# KiCad board Decent1200-Modern.kicad_pcb
title: Decent1200 modern keyboard; date: 2024-10-07; rev: 5m; company: Decent Consulting
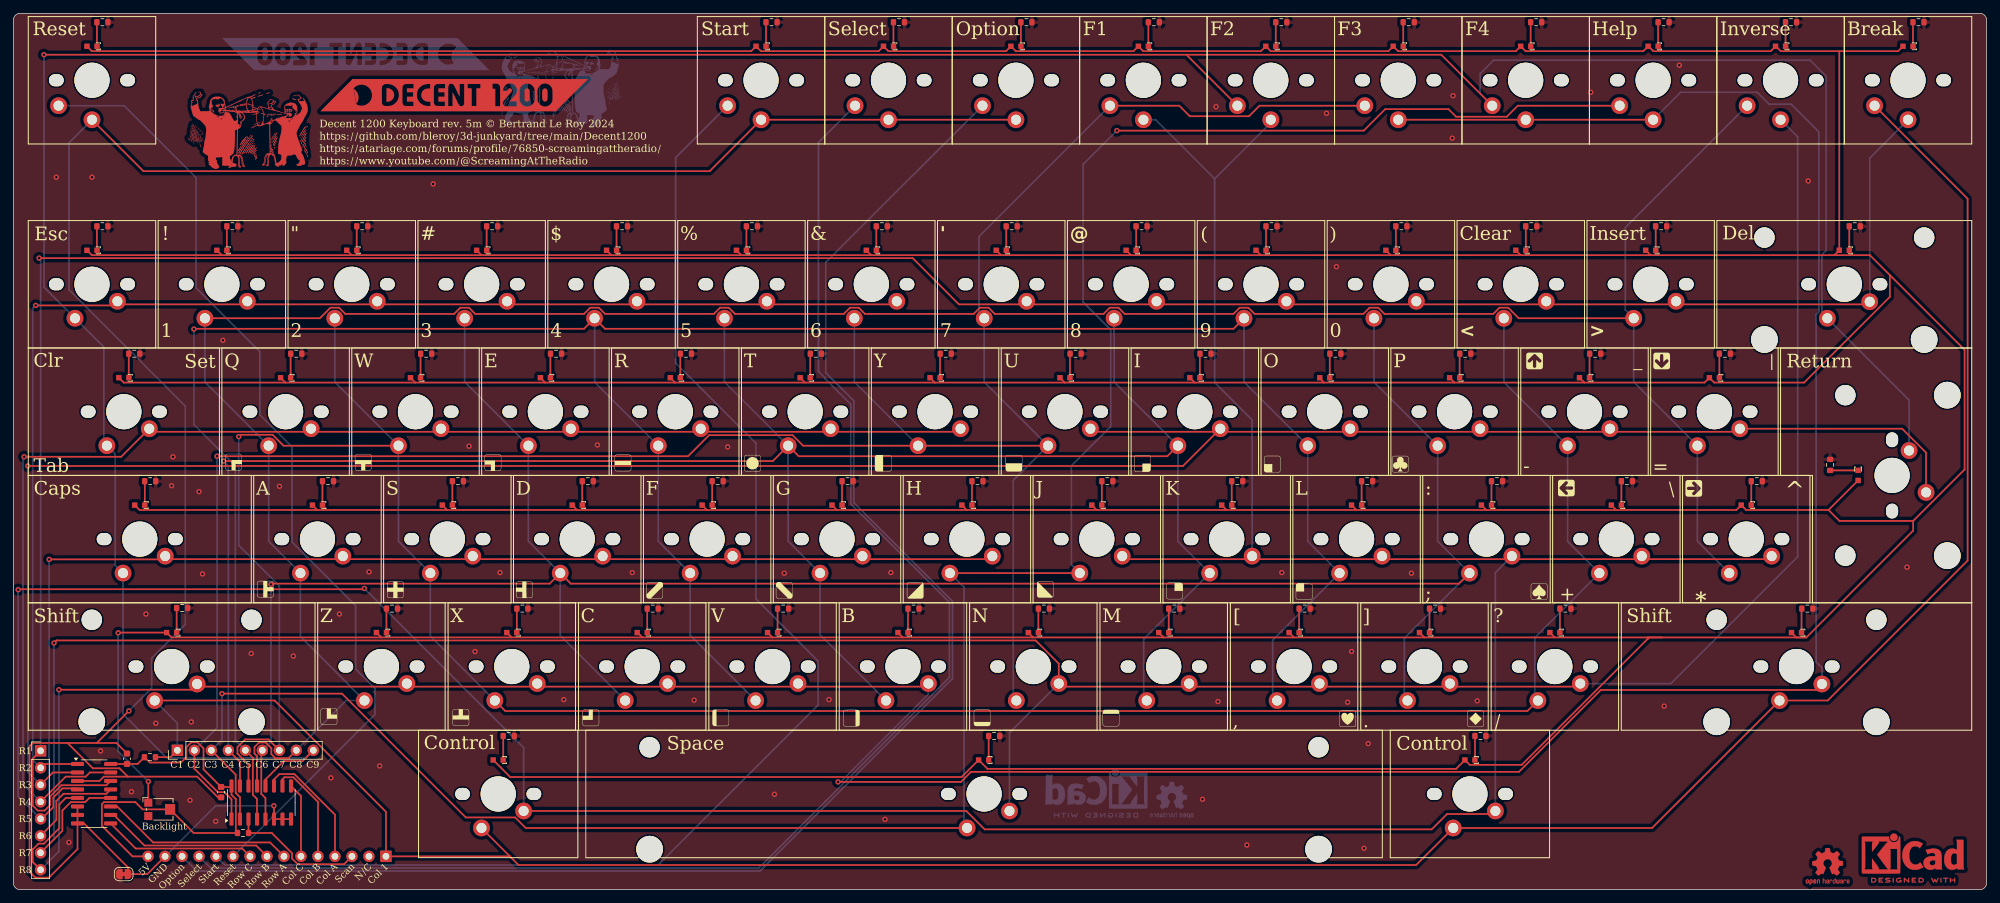
[diagram p0: board, top side]
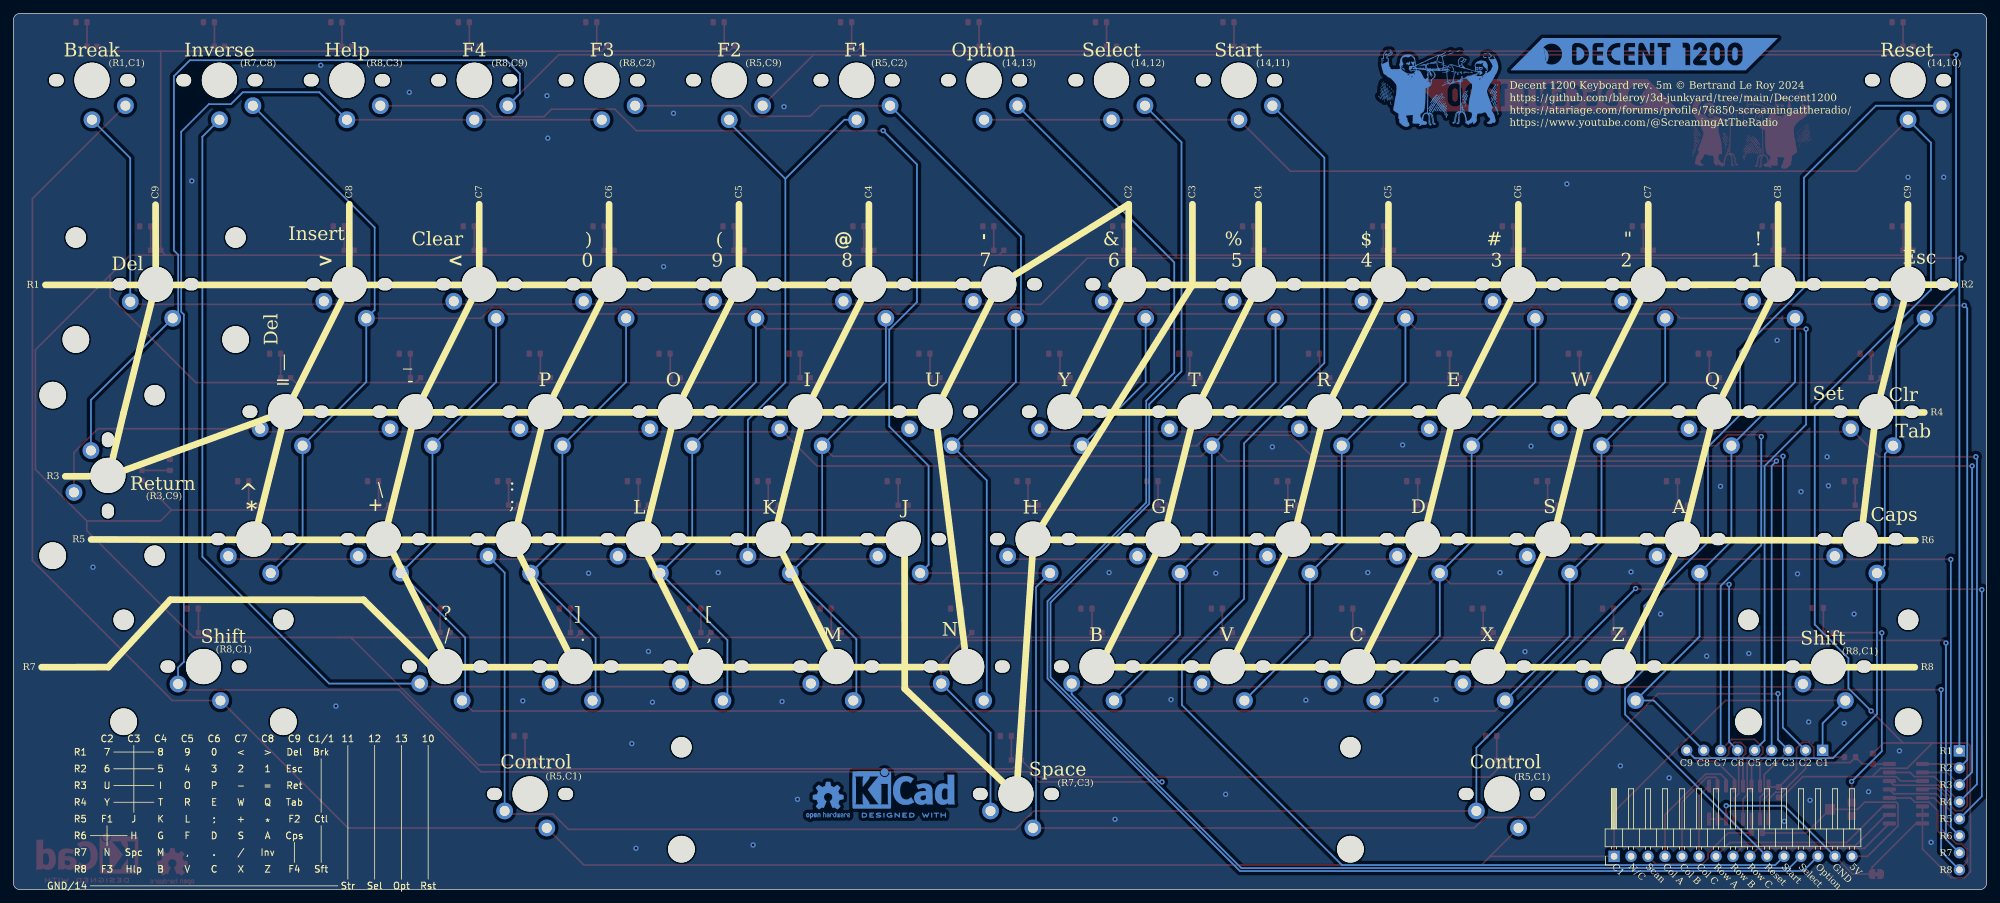
[diagram p1: board, bottom side, seen from below]

Outline 294.96 x 131 mm; copper layers: Top, Bottom. Coordinates in mm from the lower left corner of the outline.
Outline path: 0,130 arc(0.29,130.71) 1,131 293.96,131 arc(294.67,130.71) 294.96,130 294.96,1 arc(294.67,0.29) 293.96,0 1,0 arc(0.29,0.29) 0,1 0,130

## Placement (name value [footprint] x y rotation side)
C1  100nF  [C_0603_1608Metric]  16.99 19.57 270 top
C2  100nF  [C_0603_1608Metric]  31.05 14.57 90 top
G***  -  [LOGO]  115.23 44.74 0 top
G***#2  -  [LOGO]  134.81 44.74 0 top
G***#3  -  [LOGO]  76.38 44.84 0 top
G***#4  -  [LOGO]  105.73 25.69 0 top
G***#5  -  [LOGO]  199.44 25.56 0 top
G***#6  DECENT 1200  [LOGO]  65.89 118.78 0 top
G***#7  -  [LOGO]  71.68 63.84 0 top
G***#8  -  [LOGO]  227.39 79.04 180 top
G***#9  -  [LOGO]  173.57 44.65 0 top
G***#10  -  [LOGO]  188.19 63.61 0 top
G***#11  -  [LOGO]  168.77 63.7 0 top
G***#12  -  [LOGO]  95.86 44.74 0 top
G***#13  -  [LOGO]  192.94 44.56 0 top
G***#14  -  [LOGO]  57.1 44.84 0 top
G***#15  -  [LOGO]  125.26 25.64 0 top
G***#16  -  [LOGO]  251.19 59.99 90 top
G***#17  -  [LOGO]  37.66 44.91 0 top
G***#18  -  [LOGO]  52.3 63.89 0 top
G***#19  -  [LOGO]  154.25 44.89 0 top
G***#20  -  [LOGO]  86.31 25.69 0 top
G***#21  -  [LOGO]  47.16 25.86 0 top
G***#22  -  [LOGO]  218.57 25.55 0 top
G***#23  -  [LOGO]  232.14 60.04 270 top
G***#24  -  [LOGO]  228.07 44.55 0 top
G***#25  -  [LOGO]  32.91 63.91 0 top
G***#26  -  [LOGO]  66.88 25.74 0 top
G***#27  -  [LOGO]  144.81 25.69 0 top
G***#28  -  [LOGO]  246.39 79.04 0 top
G***#29  -  [LOGO]  91.11 63.79 0 top
G***#30  LOGO  [ScreamingAtTheRadio]  35.17 114.6 0 top
G***#31  -  [LOGO]  149.56 63.74 0 top
G***#32  -  [LOGO]  130.01 63.74 0 top
G***#33  -  [LOGO]  207.32 63.6 0 top
G***#34  -  [LOGO]  110.48 63.74 0 top
G***#35  -  [LOGO]  164.07 25.65 0 top
G***#36  -  [ScreamingAtTheRadio]  81.84 120.89 180 bottom
G***#37  DECENT 1200  [LOGO]  51.18 124.92 180 bottom
J1  Conn_01x15  [PinHeader_1x15_P2.54mm_Horizontal]  55.69 4.97 90 bottom
J2  Conn_01x09_Pin  [PinHeader_1x09_P2.54mm_Vertical]  24.52 20.82 90 top
J3  Conn_01x08_Pin  [PinHeader_1x08_P2.54mm_Vertical]  4.07 20.75 0 top
JP4  SolderJumper_2_Bridged  [SolderJumper-2_P1.3mm_Bridged_RoundedPad1.0x1.5mm]  16.49 2.32 180 top
R1  R  [R_0603_1608Metric]  113.33 129.68 0 top
R2  R  [R_0603_1608Metric]  219.3 22.97 0 top
R3  R  [R_0603_1608Metric]  284.78 129.68 0 top
R4  R  [R_0603_1608Metric]  74.04 22.97 0 top
R5  R  [R_0603_1608Metric]  25.23 42.1 0 top
R6  R  [R_0603_1608Metric]  268.16 42.01 0 top
R7  R  [R_0603_1608Metric]  132.38 129.68 0 top
R8  R  [R_0603_1608Metric]  149.23 99.17 0 top
R9  R  [R_0603_1608Metric]  129.82 99.17 0 top
R10  R  [R_0603_1608Metric]  158.78 80.12 0 top
R11  R  [R_0603_1608Metric]  139.37 80.12 0 top
R12  R  [R_0603_1608Metric]  170.48 129.68 0 top
R13  R  [R_0603_1608Metric]  154.04 42.01 0 top
R14  R  [R_0603_1608Metric]  208.58 129.68 0 top
R15  R  [R_0603_1608Metric]  151.43 129.68 0 top
R16  R  [R_0603_1608Metric]  163.53 61.06 0 top
R17  R  [R_0603_1608Metric]  144.11 61.06 0 top
R18  R  [R_0603_1608Metric]  146.61 22.97 0 top
R19  R  [R_0603_1608Metric]  246.68 129.68 0 top
R20  R  [R_0603_1608Metric]  13.31 129.68 0 top
R21  R  [R_0603_1608Metric]  168.65 99.17 0 top
R22  R  [R_0603_1608Metric]  110.4 99.17 0 top
R23  R  [R_0603_1608Metric]  178.2 80.12 0 top
R24  R  [R_0603_1608Metric]  119.95 80.12 0 top
R25  R  [R_0603_1608Metric]  182.94 61.06 0 top
R26  R  [R_0603_1608Metric]  124.7 61.06 0 top
R27  R  [R_0603_1608Metric]  173.53 42.01 0 top
R28  R  [R_0603_1608Metric]  134.55 42.01 0 top
R29  R  [R_0603_1608Metric]  188.06 99.17 0 top
R30  R  [R_0603_1608Metric]  90.98 99.17 0 top
R31  R  [R_0603_1608Metric]  197.62 80.12 0 top
R32  R  [R_0603_1608Metric]  100.54 80.12 0 top
R33  R  [R_0603_1608Metric]  202.36 61.06 0 top
R34  R  [R_0603_1608Metric]  105.28 61.06 0 top
R35  R  [R_0603_1608Metric]  193.02 42.01 0 top
R36  R  [R_0603_1608Metric]  115.06 42.01 0 top
R38  R  [R_0603_1608Metric]  207.48 99.17 0 top
R39  R  [R_0603_1608Metric]  71.57 99.17 0 top
R40  R  [R_0603_1608Metric]  217.03 80.12 0 top
R41  R  [R_0603_1608Metric]  81.12 80.12 0 top
R42  R  [R_0603_1608Metric]  221.78 61.06 0 top
R43  R  [R_0603_1608Metric]  85.86 61.06 0 top
R44  R  [R_0603_1608Metric]  212.51 42.01 0 top
R45  R  [R_0603_1608Metric]  95.57 42.01 0 top
R46  R  [R_0603_1608Metric]  226.9 99.17 0 top
R47  R  [R_0603_1608Metric]  52.15 99.17 0 top
R48  R  [R_0603_1608Metric]  236.45 80.12 0 top
R49  R  [R_0603_1608Metric]  61.7 80.12 0 top
R50  R  [R_0603_1608Metric]  241.19 61.06 0 top
R51  R  [R_0603_1608Metric]  66.45 61.06 0 top
R52  R  [R_0603_1608Metric]  232 42.01 0 top
R53  R  [R_0603_1608Metric]  76.08 42.01 0 top
R54  R  [R_0603_1608Metric]  246.31 99.17 0 top
R55  R  [R_0603_1608Metric]  32.73 99.17 0 top
R56  R  [R_0603_1608Metric]  255.84 80.12 0 top
R57  R  [R_0603_1608Metric]  42.29 80.12 0 top
R58  R  [R_0603_1608Metric]  260.61 61.06 0 top
R59  R  [R_0603_1608Metric]  47.03 61.06 0 top
R60  R  [R_0603_1608Metric]  265.73 129.68 0 top
R61  R  [R_0603_1608Metric]  56.6 42.01 0 top
R62  R  [R_0603_1608Metric]  275.25 99.17 0 top
R63  R  [R_0603_1608Metric]  13.31 99.17 0 top
R64  R  [R_0603_1608Metric]  271.57 63.5 90 top
R65  R  [R_0603_1608Metric]  18.07 80.12 0 top
R66  R  [R_0603_1608Metric]  189.53 129.68 0 top
R67  R  [R_0603_1608Metric]  20.45 61.06 0 top
R68  R  [R_0603_1608Metric]  227.63 129.68 0 top
R69  4k7  [R_0603_1608Metric]  34.33 8.47 0 top
R70  4k7  [R_0603_1608Metric]  20.42 19.8 0 top
REF**  -  [OSHW-Logo2_7.3x6mm_Copper]  271.2 3.46 0 top
REF**#2  -  [KiCad-Logo2_6mm_Copper]  283.96 5.42 0 top
REF**#3  -  [KiCad-Logo2_6mm_Copper]  161.87 15.14 180 bottom
REF**#4  -  [Atari1200XL_Matrix]  254.96 12.06 180 bottom
REF**#5  -  [OSHW-Logo2_7.3x6mm_Copper]  173.17 13.36 180 bottom
RV1  R_Potentiometer  [Potentiometer_Bourns_TC33X_Vertical]  21.97 12 0 top
SW0  LED  [MX-1-00U-LED]  205.91 95.58 0 top
SW1  LED  [MX-1-00U-LED]  31.17 95.58 0 top
SW2  LED  [MX-1-00U-LED]  50.58 95.58 0 top
SW3  LED  [MX-1-00U-LED]  70 95.58 0 top
SW4  LED  [MX-1-00U-LED]  89.42 95.58 0 top
SW5  LED  [MX-1-00U-LED]  108.83 95.58 0 top
SW6  LED  [MX-1-00U-LED]  128.25 95.58 0 top
SW7  LED  [MX-1-00U-LED]  147.66 95.58 0 top
SW8  LED  [MX-1-00U-LED]  167.08 95.58 0 top
SW9  LED  [MX-1-00U-LED]  186.5 95.58 0 top
SWA1  LED  [MX-1-00U-LED]  45.45 57.48 0 top
SWB1  LED  [MX-1-00U-LED]  132.97 38.43 0 top
SWBrk1  LED  [Choc-1-00U-LED]  283.21 126.08 0 top
SWC1  LED  [MX-1-00U-LED]  93.99 38.43 0 top
SWComma1  LED  [MX-1-00U-LED]  191.44 38.43 0 top
SWCps1  LED  [MX-1-75U-LED]  18.89 57.48 0 top
SWCtl1  LED  [MX-1-25U-LED]  72.47 19.38 0 top
SWCtl2  LED  [MX-1-25U-LED]  217.73 19.38 0 top
SWD1  LED  [MX-1-00U-LED]  84.29 57.48 0 top
SWDash1  LED  [MX-1-00U-LED]  234.85 76.53 0 top
SWDel2  LED  [MX-2-00U-LED]  273.69 95.58 0 top
SWE1  LED  [MX-1-00U-LED]  79.52 76.53 0 top
SWEqual1  LED  [MX-1-00U-LED]  254.27 76.53 0 top
SWEsc1  LED  [MX-1-00U-LED]  11.75 95.58 0 top
SWF1  LED  [MX-1-00U-LED]  103.7 57.48 0 top
SWFn1  LED  [Choc-1-00U-LED]  168.91 126.08 0 top
SWFn2  LED  [Choc-1-00U-LED]  187.96 126.08 0 top
SWFn3  LED  [Choc-1-00U-LED]  207.01 126.08 0 top
SWFn4  LED  [Choc-1-00U-LED]  226.06 126.08 0 top
SWG1  LED  [MX-1-00U-LED]  123.12 57.48 0 top
SWGT1  LED  [MX-1-00U-LED]  244.75 95.58 0 top
SWH1  LED  [MX-1-00U-LED]  142.54 57.48 0 top
SWHlp1  LED  [Choc-1-00U-LED]  245.11 126.08 0 top
SWI1  LED  [MX-1-00U-LED]  176.61 76.53 0 top
SWInv1  LED  [Choc-1-00U-LED]  264.16 126.08 0 top
SWJ1  LED  [MX-1-00U-LED]  161.95 57.48 0 top
SWK1  LED  [MX-1-00U-LED]  181.37 57.48 0 top
SWL1  LED  [MX-1-00U-LED]  200.78 57.48 0 top
SWLeftSft1  LED  [MX-2-25U-LED]  23.66 38.43 0 top
SWLT1  LED  [MX-1-00U-LED]  225.33 95.58 0 top
SWM1  LED  [MX-1-00U-LED]  171.95 38.43 0 top
SWN1  LED  [MX-1-00U-LED]  152.46 38.43 0 top
SWO1  LED  [MX-1-00U-LED]  196.02 76.53 0 top
SWOption1  LED  [Choc-1-00U-LED]  149.86 126.08 0 top
SWP1  LED  [MX-1-00U-LED]  215.44 76.53 0 top
SWPeriod1  LED  [MX-1-00U-LED]  210.93 38.43 0 top
SWPlus1  LED  [MX-1-00U-LED]  239.62 57.48 0 top
SWQ1  LED  [MX-1-00U-LED]  40.69 76.53 0 top
SWR1  LED  [MX-1-00U-LED]  98.94 76.53 0 top
SWReset1  LED  [Choc-1-00U-LED]  11.75 126.08 0 top
SWRet2  LED  [MX-ISO-RETURN]  275.75 61.92 0 top
SWRightSft1  LED  [MX-2-75U-LED]  266.54 38.43 0 top
SWS1  LED  [MX-1-00U-LED]  64.87 57.48 0 top
SWSelect1  LED  [Choc-1-00U-LED]  130.81 126.08 0 top
SWSemi1  LED  [MX-1-00U-LED]  220.2 57.48 0 top
SWSlash1  LED  [MX-1-00U-LED]  230.42 38.43 0 top
SWSpc1  LED  [MX-6-25-U-LED]  145.1 19.38 0 top
SWStar1  LED  [MX-1-00U-LED]  259.03 57.48 0 top
SWStart1  LED  [Choc-1-00U-LED]  111.76 126.08 0 top
SWT1  LED  [MX-1-00U-LED]  118.36 76.53 0 top
SWTab1  LED  [MX-1-50U-LED]  16.51 76.53 0 top
SWU1  LED  [MX-1-00U-LED]  157.19 76.53 0 top
SWV1  LED  [MX-1-00U-LED]  113.48 38.43 0 top
SWW1  LED  [MX-1-00U-LED]  60.11 76.53 0 top
SWX1  LED  [MX-1-00U-LED]  74.51 38.43 0 top
SWY1  LED  [MX-1-00U-LED]  137.77 76.53 0 top
SWZ1  LED  [MX-1-00U-LED]  55.02 38.43 0 top
U1  4051  [SOIC-16_3.9x9.9mm_P1.27mm]  12.06 14.34 0 top
U2  4051  [SOIC-16_3.9x9.9mm_P1.27mm]  37.05 13.02 90 top

## Library data of the parts
C1 C2 = -: JLCPCB Part #: C14663; ki_fp_filters: C_*
J1-J3 = -: ki_fp_filters: Connector*:*_1x??_*
JP4 = -: ki_fp_filters: SolderJumper*Open*
R1-R36 R38-R68 = -: JLCPCB Part #: C22775; ki_fp_filters: R_*
R69 R70 = -: JLCPCB Part #: C23162; ki_fp_filters: R_*
RV1 = -: JLCPCB Part #: C719174; JLCPCB Rotation Offset: 180; ki_fp_filters: Potentiometer*
SW0-SW9 SWA1 SWB1 SWC1 SWComma1 SWCps1 SWCtl1 SWCtl2 SWD1 SWDash1 SWE1 SWEqual1 SWEsc1 SWF1 SWG1 SWGT1 SWH1 SWI1 SWJ1 SWK1 SWL1 SWLT1 SWM1 SWN1 SWO1 SWP1 SWPeriod1 SWPlus1 SWQ1 SWR1 SWS1 SWSemi1 SWSlash1 SWStar1 SWT1 SWTab1 SWU1 SWV1 SWW1 SWX1 SWY1 SWZ1 = -: JLCPCB Part #: C193191; JLCPCB Rotation Offset: 180; JLCPCB Position Offset: 0,5.5
SWBrk1 SWDel2 SWFn1-SWFn4 SWHlp1 SWInv1 SWLeftSft1 SWOption1 SWReset1 SWRightSft1 SWSelect1 SWSpc1 SWStart1 = -: JLCPCB Part #: C193191; JLCPCB Rotation Offset: 180; JLCPCB Position Offset: 0,5.9
SWRet2 = -: JLCPCB Part #: C193191; JLCPCB Rotation Offset: 270; JLCPCB Position Offset: -2.75,0
U1 U2 = -: Datasheet: http://www.intersil.com/content/dam/Intersil/documents/cd40/cd4051bms-52bms-53bms.pdf; JLCPCB Part #: C21379; JLCPCB Rotation Offset: 270; ki_fp_filters: DIP?16*

## Footprints (pads in the part's own frame, mm; a bottom-side part is the same pattern mirrored in y, then rotated)
C_0603_1608Metric
  rrect 0.9x0.95 smd: 1(-0.775,0) 2(0.775,0)
Choc-1-00U-LED
  oval 2.2x1.8 hole 2.2x1.8 unplated: (-5.33,-5.08) (5.33,-5.08)
  round 5.25 hole 5.25 unplated: (0,-5.08)
  round 2.5 hole 1.499: 1(-5,-8.88) 2(0,-10.98)
  rect 0.8x0.8 smd: 3(0.75,0) 4(-0.75,0)
MX-1-00U-LED
  oval 2.2x1.8 hole 2.2x1.8 unplated: (-5.33,-5.08) (5.33,-5.08)
  round 5.25 hole 5.25 unplated: (0,-5.08)
  round 2.5 hole 1.499: 1(-2.54,-10.16) 2(3.8,-7.62)
  rect 0.8x0.8 smd: 3(0.75,0) 4(-0.75,0)
MX-1-25U-LED
  oval 2.2x1.8 hole 2.2x1.8 unplated: (-5.33,-5.08) (5.33,-5.08)
  round 5.25 hole 5.25 unplated: (0,-5.08)
  round 2.5 hole 1.499: 1(-2.5,-10.16) 2(3.8,-7.62)
  rect 0.8x0.8 smd: 3(0.75,0) 4(-0.75,0)
MX-1-50U-LED
  oval 2.2x1.8 hole 2.2x1.8 unplated: (-5.33,-5.08) (5.33,-5.08)
  round 5.25 hole 5.25 unplated: (0,-5.08)
  round 2.5 hole 1.499: 1(-2.54,-10.16) 2(3.8,-7.62)
  rect 0.8x0.8 smd: 3(0.75,0) 4(-0.75,0)
MX-1-75U-LED
  oval 2.2x1.8 hole 2.2x1.8 unplated: (-5.33,-5.08) (5.33,-5.08)
  round 5.25 hole 5.25 unplated: (0,-5.08)
  round 2.5 hole 1.499: 1(-2.5,-10.16) 2(3.8,-7.62)
  rect 0.8x0.8 smd: 3(0.75,0) 4(-0.75,0)
MX-2-00U-LED
  round 3.048 hole 3.048 unplated: (-11.938,1.905) (11.938,1.905)
  round 3.988 hole 3.988 unplated: (-11.938,-13.335) (11.938,-13.335)
  oval 2.2x1.8 hole 2.2x1.8 unplated: (-5.33,-5.08) (5.33,-5.08)
  round 5.25 hole 5.25 unplated: (0,-5.08)
  round 2.5 hole 1.499: 1(-2.54,-10.16) 2(3.8,-7.69)
  rect 0.8x0.8 smd: 3(0.75,0) 4(-0.75,0)
MX-2-25U-LED
  round 3.048 hole 3.048 unplated: (-11.938,1.905) (11.938,1.905)
  round 3.988 hole 3.988 unplated: (-11.938,-13.335) (11.938,-13.335)
  oval 2.2x1.8 hole 2.2x1.8 unplated: (-5.33,-5.08) (5.33,-5.08)
  round 5.25 hole 5.25 unplated: (0,-5.08)
  round 2.5 hole 1.499: 1(-2.54,-10.16) 2(3.8,-7.69)
  rect 0.8x0.8 smd: 3(0.75,0) 4(-0.75,0)
MX-2-75U-LED
  round 3.048 hole 3.048 unplated: (-11.938,1.905) (11.938,1.905)
  round 3.988 hole 3.988 unplated: (-11.938,-13.335) (11.938,-13.335)
  oval 2.2x1.8 hole 2.2x1.8 unplated: (-5.33,-5.08) (5.33,-5.08)
  round 5.25 hole 5.25 unplated: (0,-5.08)
  round 2.5 hole 1.499: 1(-2.54,-10.16) 2(3.8,-7.69)
  rect 0.8x0.8 smd: 3(0.75,0) 4(-0.75,0)
MX-6-25-U-LED
  round 3.048 hole 3.048 unplated: (-50,1.905) (50,1.905)
  round 3.988 hole 3.988 unplated: (-50,-13.335) (50,-13.335)
  oval 2.2x1.8 hole 2.2x1.8 unplated: (-5.33,-5.08) (5.33,-5.08)
  round 5.25 hole 5.25 unplated: (0,-5.08)
  round 2.5 hole 1.499: 1(-2.54,-10.16) 2(3.8,-7.62)
  rect 0.8x0.8 smd: 3(0.686,0) 4(-0.814,0)
MX-ISO-RETURN
  round 3.048 hole 3.048 unplated: (-1.905,12) (-1.905,-12)
  oval 1.8x2.2 hole 1.8x2.2 unplated: (5.08,5.33) (5.08,-5.33)
  round 5.25 hole 5.25 unplated: (5.08,0)
  round 3.988 hole 3.988 unplated: (13.335,12) (13.335,-12)
  round 2.5 hole 1.499: 1(7.62,3.72) 2(10.16,-2.54)
  rect 0.8x0.8 smd: 3(0,0.75) 4(0,-0.75)
PinHeader_1x08_P2.54mm_Vertical
  rect 1.7x1.7 hole 1: 1(0,0)
  oval 1.7x1.7 hole 1: 2(0,-2.54) 3(0,-5.08) 4(0,-7.62) 5(0,-10.16) 6(0,-12.7) 7(0,-15.24) 8(0,-17.78)
PinHeader_1x09_P2.54mm_Vertical
  rect 1.7x1.7 hole 1: 1(0,0)
  oval 1.7x1.7 hole 1: 2(0,-2.54) 3(0,-5.08) 4(0,-7.62) 5(0,-10.16) 6(0,-12.7) 7(0,-15.24) 8(0,-17.78) 9(0,-20.32)
PinHeader_1x15_P2.54mm_Horizontal
  rect 1.7x1.7 hole 1: 1(0,0)
  oval 1.7x1.7 hole 1: 2(0,-2.54) 3(0,-5.08) 4(0,-7.62) 5(0,-10.16) 6(0,-12.7) 7(0,-15.24) 8(0,-17.78) 9(0,-20.32) 10(0,-22.86) 11(0,-25.4) 12(0,-27.94) 13(0,-30.48) 14(0,-33.02) 15(0,-35.56)
Potentiometer_Bourns_TC33X_Vertical
  rect 1.2x1.2 smd: 1(-1.8,1) 3(-1.8,-1)
  rect 1.5x1.6 smd: 2(1.45,0)
R_0603_1608Metric
  rrect 0.8x0.95 smd: 1(-0.825,0) 2(0.825,0)
SOIC-16_3.9x9.9mm_P1.27mm
  rrect 1.95x0.6 smd: 1(-2.475,4.445) 2(-2.475,3.175) 3(-2.475,1.905) 4(-2.475,0.635) 5(-2.475,-0.635) 6(-2.475,-1.905) 7(-2.475,-3.175) 8(-2.475,-4.445) 9(2.475,-4.445) 10(2.475,-3.175) 11(2.475,-1.905) 12(2.475,-0.635) 13(2.475,0.635) 14(2.475,1.905) 15(2.475,3.175) 16(2.475,4.445)
SolderJumper-2_P1.3mm_Bridged_RoundedPad1.0x1.5mm
  custom 1x0.5 smd: 1(-0.65,0) 2(0.65,0)
